# Altium PCB PCB.pcbdoc (part 1 of 6) (continued)
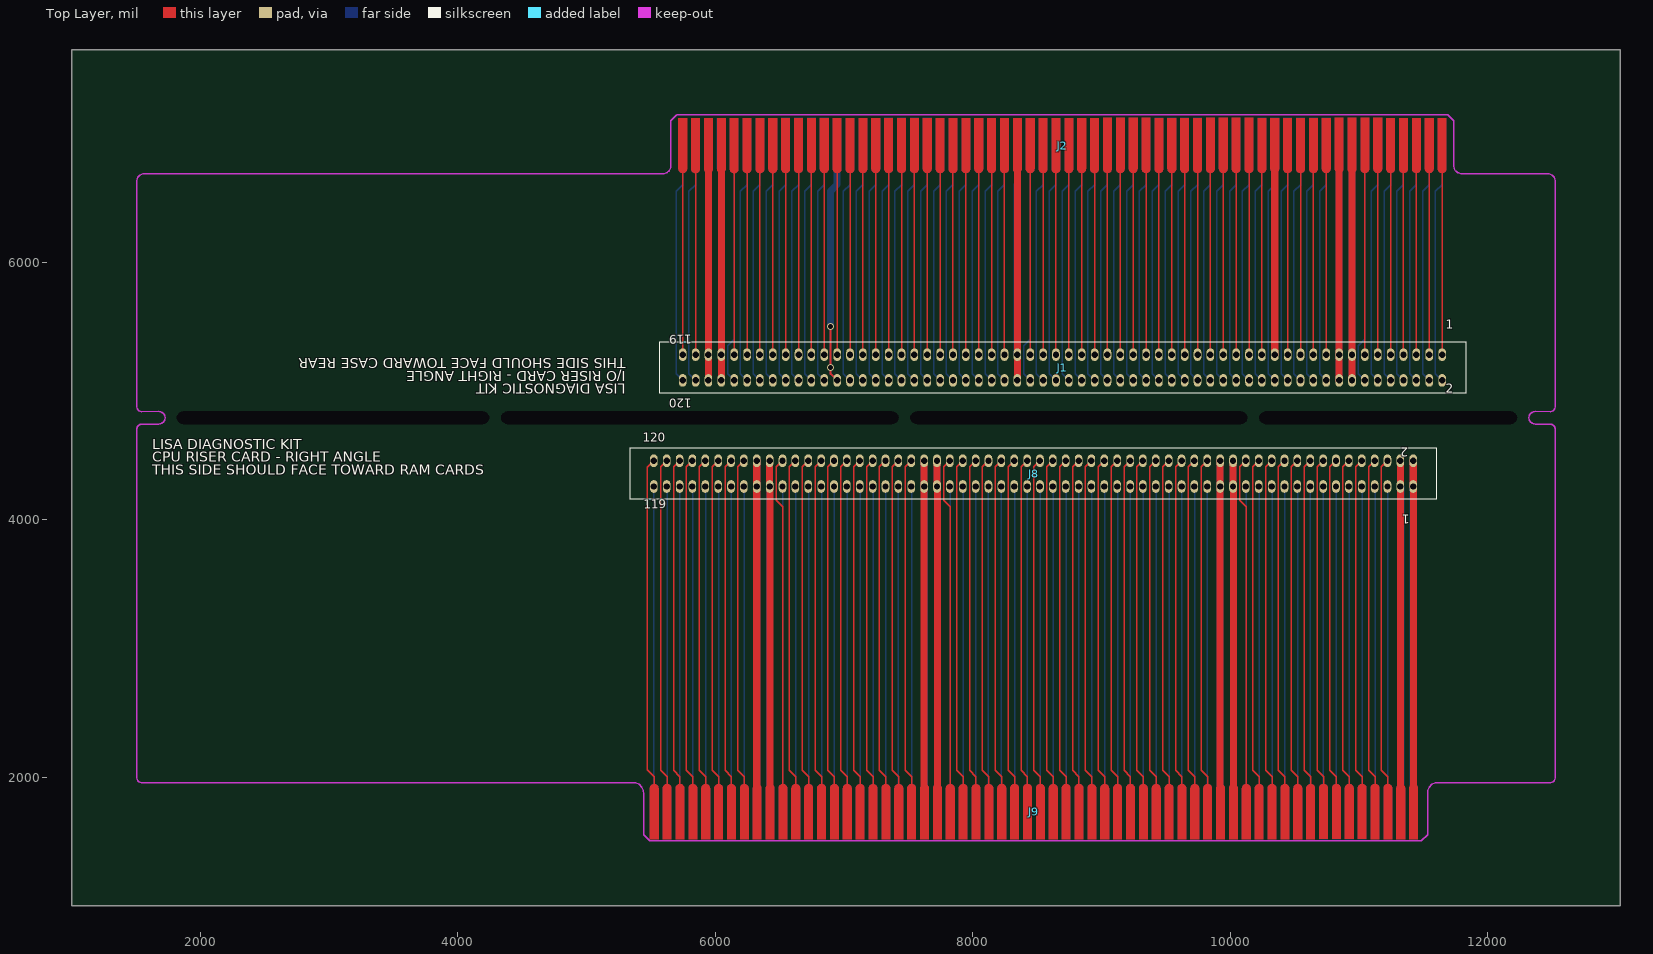
[diagram p0: Top Layer view]
## Footprints (in the part's own frame and the unit in brackets; to place one, negate y for a bottom-side part, rotate by r counter-clockwise, add the part's x,y. Pads: shape width x height; smd on the part's side, far side on the other; paste and mask are expansions set on the pad) (continued)
  Top Layer region: 2051.58,213.21 2049.95,213.25 2049.95,213.25 2048.31,213.2 2048.31,213.2 2046.68,213.08 2046.68,213.08 2045.06,212.88 2045.06,212.88 2043.44,212.6 2043.44,212.6 2041.85,212.25 2041.85,212.25 2040.27,211.81 2040.27,211.81 2038.72,211.3 2038.72,211.3 2037.19,210.71 2037.19,210.71 2035.69,210.05 2035.69,210.05 2034.23,209.31 2034.23,209.31 2032.81,208.51 2032.81,208.51 2031.42,207.64 2031.42,207.64 2030.08,206.7 2030.08,206.7 2028.79,205.69 2028.79,205.69 2027.55,204.63 2027.55,204.63 2026.36,203.5 2026.36,203.5 2025.23,202.32 2025.23,202.32 2024.16,201.08 2024.16,201.08 2023.15,199.8 2023.15,199.8 2022.21,198.46 2022.21,198.46 2021.33,197.08 2021.33,197.08 2020.52,195.66 2020.52,195.66 2019.78,194.2 2019.78,194.2 2019.11,192.71 2019.11,192.71 2018.51,191.18 2018.51,191.18 2017.99,189.63 2017.99,189.63 2017.55,188.06 2017.55,188.06 2017.18,186.46 2017.18,186.46 2016.9,184.85 2016.9,184.85 2016.69,183.23 2016.69,183.23 2016.56,181.6 2016.56,181.6 2016.51,179.99 2016.51,179.99 2016.49,179.99 2016.49,179.99 2016.49,-213.71 2016.49,-213.71 2083.41,-213.71 2083.41,-213.71 2083.41,179.99 2083.41,179.99 2083.37,181.63 2083.37,181.63 2083.24,183.26 2083.24,183.26 2083.03,184.88 2083.03,184.88 2082.74,186.49 2082.74,186.49 2082.37,188.09 2082.37,188.09 2081.93,189.66 2081.93,189.66 2081.41,191.21 2081.41,191.21 2080.81,192.74 2080.81,192.74 2080.14,194.23 2080.14,194.23 2079.4,195.69 2079.4,195.69 2078.59,197.11 2078.59,197.11 2077.71,198.49 2077.71,198.49 2076.76,199.82 2076.76,199.82 2075.75,201.11 2075.75,201.11 2074.67,202.34 2074.67,202.34 2073.54,203.52 2073.54,203.52 2072.35,204.65 2072.35,204.65 2071.11,205.71 2071.11,205.71 2069.82,206.72 2069.82,206.72 2068.48,207.65 2068.48,207.65 2067.09,208.53 2067.09,208.53 2065.67,209.33 2065.67,209.33 2064.2,210.06 2064.2,210.06 2062.71,210.72 2062.71,210.72 2061.18,211.31 2061.18,211.31 2059.63,211.82 2059.63,211.82 2058.05,212.25 2058.05,212.25 2056.45,212.61 2056.45,212.61 2054.84,212.89 2054.84,212.89 2053.22,213.09 2053.22,213.09
  Top Layer region: 1951.58,213.21 1949.95,213.25 1949.95,213.25 1948.31,213.2 1948.31,213.2 1946.68,213.08 1946.68,213.08 1945.06,212.88 1945.06,212.88 1943.44,212.6 1943.44,212.6 1941.85,212.25 1941.85,212.25 1940.27,211.81 1940.27,211.81 1938.72,211.3 1938.72,211.3 1937.19,210.71 1937.19,210.71 1935.69,210.05 1935.69,210.05 1934.23,209.31 1934.23,209.31 1932.81,208.51 1932.81,208.51 1931.42,207.64 1931.42,207.64 1930.08,206.7 1930.08,206.7 1928.79,205.69 1928.79,205.69 1927.55,204.63 1927.55,204.63 1926.36,203.5 1926.36,203.5 1925.23,202.32 1925.23,202.32 1924.16,201.08 1924.16,201.08 1923.15,199.8 1923.15,199.8 1922.2,198.46 1922.2,198.46 1921.32,197.08 1921.32,197.08 1920.51,195.66 1920.51,195.66 1919.77,194.2 1919.77,194.2 1919.11,192.71 1919.11,192.71 1918.51,191.18 1918.51,191.18 1917.99,189.63 1917.99,189.63 1917.55,188.06 1917.55,188.06 1917.18,186.46 1917.18,186.46 1916.9,184.85 1916.9,184.85 1916.69,183.23 1916.69,183.23 1916.56,181.6 1916.56,181.6 1916.51,179.99 1916.51,179.99 1916.48,179.99 1916.48,179.99 1916.48,-213.71 1916.48,-213.71 1983.41,-213.71 1983.41,-213.71 1983.41,179.99 1983.41,179.99 1983.36,181.63 1983.36,181.63 1983.24,183.26 1983.24,183.26 1983.02,184.88 1983.02,184.88 1982.74,186.49 1982.74,186.49 1982.37,188.09 1982.37,188.09 1981.93,189.66 1981.93,189.66 1981.4,191.21 1981.4,191.21 1980.81,192.74 1980.81,192.74 1980.14,194.23 1980.14,194.23 1979.4,195.69 1979.4,195.69 1978.59,197.11 1978.59,197.11 1977.7,198.49 1977.7,198.49 1976.76,199.82 1976.76,199.82 1975.75,201.11 1975.75,201.11 1974.67,202.34 1974.67,202.34 1973.54,203.52 1973.54,203.52 1972.35,204.65 1972.35,204.65 1971.11,205.71 1971.11,205.71 1969.82,206.72 1969.82,206.72 1968.48,207.65 1968.48,207.65 1967.09,208.53 1967.09,208.53 1965.67,209.33 1965.67,209.33 1964.2,210.06 1964.2,210.06 1962.71,210.72 1962.71,210.72 1961.18,211.31 1961.18,211.31 1959.62,211.82 1959.62,211.82 1958.05,212.25 1958.05,212.25 1956.45,212.61 1956.45,212.61 1954.84,212.89 1954.84,212.89 1953.22,213.09 1953.22,213.09
  Top Layer region: 1851.58,213.21 1849.95,213.25 1849.95,213.25 1848.31,213.2 1848.31,213.2 1846.68,213.08 1846.68,213.08 1845.06,212.88 1845.06,212.88 1843.44,212.6 1843.44,212.6 1841.85,212.25 1841.85,212.25 1840.27,211.81 1840.27,211.81 1838.72,211.3 1838.72,211.3 1837.19,210.71 1837.19,210.71 1835.69,210.05 1835.69,210.05 1834.23,209.31 1834.23,209.31 1832.8,208.51 1832.8,208.51 1831.42,207.64 1831.42,207.64 1830.08,206.7 1830.08,206.7 1828.79,205.69 1828.79,205.69 1827.55,204.63 1827.55,204.63 1826.36,203.5 1826.36,203.5 1825.23,202.32 1825.23,202.32 1824.16,201.08 1824.16,201.08 1823.15,199.8 1823.15,199.8 1822.2,198.46 1822.2,198.46 1821.32,197.08 1821.32,197.08 1820.51,195.66 1820.51,195.66 1819.77,194.2 1819.77,194.2 1819.1,192.71 1819.1,192.71 1818.51,191.18 1818.51,191.18 1817.99,189.63 1817.99,189.63 1817.55,188.06 1817.55,188.06 1817.18,186.46 1817.18,186.46 1816.9,184.85 1816.9,184.85 1816.69,183.23 1816.69,183.23 1816.56,181.6 1816.56,181.6 1816.51,179.99 1816.51,179.99 1816.48,179.99 1816.48,179.99 1816.48,-213.71 1816.48,-213.71 1883.41,-213.71 1883.41,-213.71 1883.41,179.99 1883.41,179.99 1883.36,181.63 1883.36,181.63 1883.23,183.26 1883.23,183.26 1883.02,184.88 1883.02,184.88 1882.74,186.49 1882.74,186.49 1882.37,188.09 1882.37,188.09 1881.93,189.66 1881.93,189.66 1881.4,191.21 1881.4,191.21 1880.81,192.74 1880.81,192.74 1880.14,194.23 1880.14,194.23 1879.4,195.69 1879.4,195.69 1878.58,197.11 1878.58,197.11 1877.7,198.49 1877.7,198.49 1876.76,199.82 1876.76,199.82 1875.74,201.11 1875.74,201.11 1874.67,202.34 1874.67,202.34 1873.54,203.52 1873.54,203.52 1872.35,204.65 1872.35,204.65 1871.11,205.71 1871.11,205.71 1869.82,206.72 1869.82,206.72 1868.48,207.65 1868.48,207.65 1867.09,208.53 1867.09,208.53 1865.67,209.33 1865.67,209.33 1864.2,210.06 1864.2,210.06 1862.71,210.72 1862.71,210.72 1861.18,211.31 1861.18,211.31 1859.62,211.82 1859.62,211.82 1858.05,212.25 1858.05,212.25 1856.45,212.61 1856.45,212.61 1854.84,212.89 1854.84,212.89 1853.21,213.09 1853.21,213.09
  Top Layer region: 1751.61,213.52 1749.98,213.55 1749.98,213.55 1748.34,213.51 1748.34,213.51 1746.71,213.39 1746.71,213.39 1745.08,213.19 1745.08,213.19 1743.47,212.91 1743.47,212.91 1741.88,212.55 1741.88,212.55 1740.3,212.12 1740.3,212.12 1738.74,211.61 1738.74,211.61 1737.22,211.02 1737.22,211.02 1735.72,210.36 1735.72,210.36 1734.26,209.62 1734.26,209.62 1732.83,208.82 1732.83,208.82 1731.45,207.95 1731.45,207.95 1730.11,207.01 1730.11,207.01 1728.82,206 1728.82,206 1727.58,204.94 1727.58,204.94 1726.39,203.81 1726.39,203.81 1725.26,202.63 1725.26,202.63 1724.19,201.39 1724.19,201.39 1723.18,200.1 1723.18,200.1 1722.23,198.77 1722.23,198.77 1721.35,197.39 1721.35,197.39 1720.54,195.97 1720.54,195.97 1719.8,194.51 1719.8,194.51 1719.13,193.02 1719.13,193.02 1718.54,191.49 1718.54,191.49 1718.02,189.94 1718.02,189.94 1717.58,188.36 1717.58,188.36 1717.21,186.77 1717.21,186.77 1716.93,185.16 1716.93,185.16 1716.72,183.54 1716.72,183.54 1716.59,181.9 1716.59,181.9 1716.54,180.3 1716.54,180.3 1716.51,180.3 1716.51,180.3 1716.51,-213.4 1716.51,-213.4 1783.44,-213.4 1783.44,-213.4 1783.44,180.3 1783.44,180.3 1783.39,181.94 1783.39,181.94 1783.26,183.57 1783.26,183.57 1783.05,185.19 1783.05,185.19 1782.77,186.8 1782.77,186.8 1782.4,188.4 1782.4,188.4 1781.95,189.97 1781.95,189.97 1781.43,191.52 1781.43,191.52 1780.84,193.05 1780.84,193.05 1780.17,194.54 1780.17,194.54 1779.43,196 1779.43,196 1778.61,197.42 1778.61,197.42 1777.73,198.8 1777.73,198.8 1776.79,200.13 1776.79,200.13 1775.77,201.42 1775.77,201.42 1774.7,202.65 1774.7,202.65 1773.57,203.83 1773.57,203.83 1772.38,204.96 1772.38,204.96 1771.14,206.02 1771.14,206.02 1769.85,207.02 1769.85,207.02 1768.51,207.96 1768.51,207.96 1767.12,208.84 1767.12,208.84 1765.7,209.64 1765.7,209.64 1764.23,210.37 1764.23,210.37 1762.74,211.03 1762.74,211.03 1761.21,211.62 1761.21,211.62 1759.65,212.13 1759.65,212.13 1758.08,212.56 1758.08,212.56 1756.48,212.92 1756.48,212.92 1754.87,213.2 1754.87,213.2 1753.24,213.4 1753.24,213.4
  Top Layer region: 1651.61,213.52 1649.98,213.55 1649.98,213.55 1648.34,213.51 1648.34,213.51 1646.71,213.39 1646.71,213.39 1645.09,213.19 1645.09,213.19 1643.48,212.91 1643.48,212.91 1641.88,212.55 1641.88,212.55 1640.3,212.12 1640.3,212.12 1638.75,211.61 1638.75,211.61 1637.22,211.02 1637.22,211.02 1635.73,210.36 1635.73,210.36 1634.26,209.62 1634.26,209.62 1632.84,208.82 1632.84,208.82 1631.45,207.95 1631.45,207.95 1630.11,207.01 1630.11,207.01 1628.82,206 1628.82,206 1627.58,204.94 1627.58,204.94 1626.4,203.81 1626.4,203.81 1625.26,202.63 1625.26,202.63 1624.19,201.39 1624.19,201.39 1623.18,200.1 1623.18,200.1 1622.24,198.77 1622.24,198.77 1621.36,197.39 1621.36,197.39 1620.55,195.97 1620.55,195.97 1619.81,194.51 1619.81,194.51 1619.14,193.02 1619.14,193.02 1618.54,191.49 1618.54,191.49 1618.02,189.94 1618.02,189.94 1617.58,188.36 1617.58,188.36 1617.22,186.77 1617.22,186.77 1616.93,185.16 1616.93,185.16 1616.72,183.54 1616.72,183.54 1616.59,181.9 1616.59,181.9 1616.55,180.3 1616.55,180.3 1616.52,180.3 1616.52,180.3 1616.52,-213.4 1616.52,-213.4 1683.45,-213.4 1683.45,-213.4 1683.45,180.3 1683.45,180.3 1683.4,181.94 1683.4,181.94 1683.27,183.57 1683.27,183.57 1683.06,185.19 1683.06,185.19 1682.77,186.8 1682.77,186.8 1682.4,188.4 1682.4,188.4 1681.96,189.97 1681.96,189.97 1681.44,191.52 1681.44,191.52 1680.84,193.05 1680.84,193.05 1680.17,194.54 1680.17,194.54 1679.43,196 1679.43,196 1678.62,197.42 1678.62,197.42 1677.74,198.8 1677.74,198.8 1676.79,200.13 1676.79,200.13 1675.78,201.42 1675.78,201.42 1674.7,202.65 1674.7,202.65 1673.57,203.83 1673.57,203.83 1672.39,204.96 1672.39,204.96 1671.14,206.02 1671.14,206.02 1669.85,207.02 1669.85,207.02 1668.51,207.96 1668.51,207.96 1667.12,208.84 1667.12,208.84 1665.7,209.64 1665.7,209.64 1664.24,210.37 1664.24,210.37 1662.74,211.03 1662.74,211.03 1661.21,211.62 1661.21,211.62 1659.66,212.13 1659.66,212.13 1658.08,212.56 1658.08,212.56 1656.48,212.92 1656.48,212.92 1654.87,213.2 1654.87,213.2 1653.25,213.4 1653.25,213.4
  Top Layer region: 1551.62,213.51 1549.98,213.55 1549.98,213.55 1548.35,213.51 1548.35,213.51 1546.71,213.39 1546.71,213.39 1545.09,213.19 1545.09,213.19 1543.48,212.91 1543.48,212.91 1541.88,212.55 1541.88,212.55 1540.3,212.12 1540.3,212.12 1538.75,211.61 1538.75,211.61 1537.22,211.02 1537.22,211.02 1535.73,210.36 1535.73,210.36 1534.27,209.62 1534.27,209.62 1532.84,208.82 1532.84,208.82 1531.46,207.95 1531.46,207.95 1530.12,207.01 1530.12,207.01 1528.82,206 1528.82,206 1527.58,204.93 1527.58,204.93 1526.4,203.81 1526.4,203.81 1525.27,202.63 1525.27,202.63 1524.19,201.39 1524.19,201.39 1523.18,200.1 1523.18,200.1 1522.24,198.77 1522.24,198.77 1521.36,197.39 1521.36,197.39 1520.55,195.97 1520.55,195.97 1519.81,194.51 1519.81,194.51 1519.14,193.01 1519.14,193.01 1518.54,191.49 1518.54,191.49 1518.03,189.94 1518.03,189.94 1517.58,188.36 1517.58,188.36 1517.22,186.77 1517.22,186.77 1516.93,185.16 1516.93,185.16 1516.72,183.53 1516.72,183.53 1516.59,181.9 1516.59,181.9 1516.55,180.3 1516.55,180.3 1516.52,180.3 1516.52,180.3 1516.52,-213.4 1516.52,-213.4 1583.45,-213.4 1583.45,-213.4 1583.45,180.3 1583.45,180.3 1583.4,181.93 1583.4,181.93 1583.27,183.57 1583.27,183.57 1583.06,185.19 1583.06,185.19 1582.77,186.8 1582.77,186.8 1582.4,188.39 1582.4,188.39 1581.96,189.97 1581.96,189.97 1581.44,191.52 1581.44,191.52 1580.84,193.04 1580.84,193.04 1580.17,194.54 1580.17,194.54 1579.43,195.99 1579.43,195.99 1578.62,197.41 1578.62,197.41 1577.74,198.8 1577.74,198.8 1576.79,200.13 1576.79,200.13 1575.78,201.41 1575.78,201.41 1574.71,202.65 1574.71,202.65 1573.57,203.83 1573.57,203.83 1572.39,204.96 1572.39,204.96 1571.14,206.02 1571.14,206.02 1569.85,207.02 1569.85,207.02 1568.51,207.96 1568.51,207.96 1567.13,208.83 1567.13,208.83 1565.7,209.64 1565.7,209.64 1564.24,210.37 1564.24,210.37 1562.74,211.03 1562.74,211.03 1561.21,211.61 1561.21,211.61 1559.66,212.13 1559.66,212.13 1558.08,212.56 1558.08,212.56 1556.49,212.92 1556.49,212.92 1554.87,213.19 1554.87,213.19 1553.25,213.39 1553.25,213.39
  Top Layer region: 1451.61,213.52 1449.98,213.55 1449.98,213.55 1448.34,213.51 1448.34,213.51 1446.71,213.39 1446.71,213.39 1445.09,213.19 1445.09,213.19 1443.48,212.91 1443.48,212.91 1441.88,212.55 1441.88,212.55 1440.3,212.12 1440.3,212.12 1438.75,211.61 1438.75,211.61 1437.22,211.02 1437.22,211.02 1435.73,210.36 1435.73,210.36 1434.26,209.62 1434.26,209.62 1432.84,208.82 1432.84,208.82 1431.45,207.95 1431.45,207.95 1430.11,207.01 1430.11,207.01 1428.82,206 1428.82,206 1427.58,204.94 1427.58,204.94 1426.4,203.81 1426.4,203.81 1425.26,202.63 1425.26,202.63 1424.19,201.39 1424.19,201.39 1423.18,200.1 1423.18,200.1 1422.24,198.77 1422.24,198.77 1421.36,197.39 1421.36,197.39 1420.55,195.97 1420.55,195.97 1419.81,194.51 1419.81,194.51 1419.14,193.02 1419.14,193.02 1418.54,191.49 1418.54,191.49 1418.02,189.94 1418.02,189.94 1417.58,188.36 1417.58,188.36 1417.22,186.77 1417.22,186.77 1416.93,185.16 1416.93,185.16 1416.72,183.54 1416.72,183.54 1416.59,181.9 1416.59,181.9 1416.55,180.3 1416.55,180.3 1416.52,180.3 1416.52,180.3 1416.52,-213.4 1416.52,-213.4 1483.45,-213.4 1483.45,-213.4 1483.45,180.3 1483.45,180.3 1483.4,181.94 1483.4,181.94 1483.27,183.57 1483.27,183.57 1483.06,185.19 1483.06,185.19 1482.77,186.8 1482.77,186.8 1482.4,188.4 1482.4,188.4 1481.96,189.97 1481.96,189.97 1481.44,191.52 1481.44,191.52 1480.84,193.05 1480.84,193.05 1480.17,194.54 1480.17,194.54 1479.43,196 1479.43,196 1478.62,197.42 1478.62,197.42 1477.74,198.8 1477.74,198.8 1476.79,200.13 1476.79,200.13 1475.78,201.42 1475.78,201.42 1474.7,202.65 1474.7,202.65 1473.57,203.83 1473.57,203.83 1472.39,204.96 1472.39,204.96 1471.14,206.02 1471.14,206.02 1469.85,207.02 1469.85,207.02 1468.51,207.96 1468.51,207.96 1467.12,208.84 1467.12,208.84 1465.7,209.64 1465.7,209.64 1464.24,210.37 1464.24,210.37 1462.74,211.03 1462.74,211.03 1461.21,211.62 1461.21,211.62 1459.66,212.13 1459.66,212.13 1458.08,212.56 1458.08,212.56 1456.48,212.92 1456.48,212.92 1454.87,213.2 1454.87,213.2 1453.25,213.4 1453.25,213.4
  Top Layer region: 1351.59,213.21 1349.96,213.25 1349.96,213.25 1348.32,213.21 1348.32,213.21 1346.69,213.09 1346.69,213.09 1345.07,212.89 1345.07,212.89 1343.45,212.61 1343.45,212.61 1341.86,212.25 1341.86,212.25 1340.28,211.81 1340.28,211.81 1338.73,211.3 1338.73,211.3 1337.2,210.71 1337.2,210.71 1335.7,210.05 1335.7,210.05 1334.24,209.32 1334.24,209.32 1332.82,208.51 1332.82,208.51 1331.43,207.64 1331.43,207.64 1330.09,206.7 1330.09,206.7 1328.8,205.69 1328.8,205.69 1327.56,204.63 1327.56,204.63 1326.37,203.5 1326.37,203.5 1325.24,202.32 1325.24,202.32 1324.17,201.08 1324.17,201.08 1323.16,199.8 1323.16,199.8 1322.22,198.46 1322.22,198.46 1321.34,197.08 1321.34,197.08 1320.53,195.66 1320.53,195.66 1319.78,194.2 1319.78,194.2 1319.12,192.71 1319.12,192.71 1318.52,191.18 1318.52,191.18 1318,189.63 1318,189.63 1317.56,188.06 1317.56,188.06 1317.19,186.46 1317.19,186.46 1316.91,184.85 1316.91,184.85 1316.7,183.23 1316.7,183.23 1316.57,181.6 1316.57,181.6 1316.53,179.99 1316.53,179.99 1316.5,179.99 1316.5,179.99 1316.5,-213.71 1316.5,-213.71 1383.43,-213.71 1383.43,-213.71 1383.43,179.99 1383.43,179.99 1383.38,181.63 1383.38,181.63 1383.25,183.26 1383.25,183.26 1383.04,184.88 1383.04,184.88 1382.75,186.49 1382.75,186.49 1382.38,188.09 1382.38,188.09 1381.94,189.66 1381.94,189.66 1381.42,191.21 1381.42,191.21 1380.82,192.74 1380.82,192.74 1380.15,194.23 1380.15,194.23 1379.41,195.69 1379.41,195.69 1378.6,197.11 1378.6,197.11 1377.72,198.49 1377.72,198.49 1376.77,199.82 1376.77,199.82 1375.76,201.11 1375.76,201.11 1374.68,202.34 1374.68,202.34 1373.55,203.53 1373.55,203.53 1372.36,204.65 1372.36,204.65 1371.12,205.71 1371.12,205.71 1369.83,206.72 1369.83,206.72 1368.49,207.66 1368.49,207.66 1367.1,208.53 1367.1,208.53 1365.68,209.33 1365.68,209.33 1364.22,210.06 1364.22,210.06 1362.72,210.72 1362.72,210.72 1361.19,211.31 1361.19,211.31 1359.64,211.82 1359.64,211.82 1358.06,212.26 1358.06,212.26 1356.46,212.61 1356.46,212.61 1354.85,212.89 1354.85,212.89 1353.23,213.09 1353.23,213.09
  Top Layer region: 1251.6,213.21 1249.96,213.25 1249.96,213.25 1248.32,213.21 1248.32,213.21 1246.69,213.09 1246.69,213.09 1245.07,212.89 1245.07,212.89 1243.46,212.61 1243.46,212.61 1241.86,212.25 1241.86,212.25 1240.28,211.81 1240.28,211.81 1238.73,211.3 1238.73,211.3 1237.2,210.71 1237.2,210.71 1235.71,210.05 1235.71,210.05 1234.24,209.32 1234.24,209.32 1232.82,208.51 1232.82,208.51 1231.44,207.64 1231.44,207.64 1230.1,206.7 1230.1,206.7 1228.8,205.69 1228.8,205.69 1227.56,204.63 1227.56,204.63 1226.38,203.5 1226.38,203.5 1225.24,202.32 1225.24,202.32 1224.17,201.08 1224.17,201.08 1223.16,199.8 1223.16,199.8 1222.22,198.46 1222.22,198.46 1221.34,197.08 1221.34,197.08 1220.53,195.66 1220.53,195.66 1219.79,194.2 1219.79,194.2 1219.12,192.71 1219.12,192.71 1218.52,191.18 1218.52,191.18 1218,189.63 1218,189.63 1217.56,188.06 1217.56,188.06 1217.2,186.46 1217.2,186.46 1216.91,184.85 1216.91,184.85 1216.7,183.23 1216.7,183.23 1216.57,181.6 1216.57,181.6 1216.53,179.99 1216.53,179.99 1216.5,179.99 1216.5,179.99 1216.5,-213.71 1216.5,-213.71 1283.43,-213.71 1283.43,-213.71 1283.43,179.99 1283.43,179.99 1283.38,181.63 1283.38,181.63 1283.25,183.26 1283.25,183.26 1283.04,184.88 1283.04,184.88 1282.75,186.49 1282.75,186.49 1282.38,188.09 1282.38,188.09 1281.94,189.66 1281.94,189.66 1281.42,191.21 1281.42,191.21 1280.82,192.74 1280.82,192.74 1280.15,194.23 1280.15,194.23 1279.41,195.69 1279.41,195.69 1278.6,197.11 1278.6,197.11 1277.72,198.49 1277.72,198.49 1276.77,199.82 1276.77,199.82 1275.76,201.11 1275.76,201.11 1274.69,202.34 1274.69,202.34 1273.55,203.53 1273.55,203.53 1272.36,204.65 1272.36,204.65 1271.12,205.71 1271.12,205.71 1269.83,206.72 1269.83,206.72 1268.49,207.66 1268.49,207.66 1267.11,208.53 1267.11,208.53 1265.68,209.33 1265.68,209.33 1264.22,210.06 1264.22,210.06 1262.72,210.72 1262.72,210.72 1261.19,211.31 1261.19,211.31 1259.64,211.82 1259.64,211.82 1258.06,212.26 1258.06,212.26 1256.46,212.61 1256.46,212.61 1254.85,212.89 1254.85,212.89 1253.23,213.09 1253.23,213.09
  Top Layer region: 1151.6,213.21 1149.96,213.25 1149.96,213.25 1148.33,213.21 1148.33,213.21 1146.69,213.08 1146.69,213.08 1145.07,212.88 1145.07,212.88 1143.46,212.61 1143.46,212.61 1141.86,212.25 1141.86,212.25 1140.29,211.81 1140.29,211.81 1138.73,211.3 1138.73,211.3 1137.2,210.71 1137.2,210.71 1135.71,210.05 1135.71,210.05 1134.25,209.32 1134.25,209.32 1132.82,208.51 1132.82,208.51 1131.44,207.64 1131.44,207.64 1130.1,206.7 1130.1,206.7 1128.81,205.69 1128.81,205.69 1127.57,204.63 1127.57,204.63 1126.38,203.5 1126.38,203.5 1125.25,202.32 1125.25,202.32 1124.18,201.08 1124.18,201.08 1123.17,199.8 1123.17,199.8 1122.22,198.46 1122.22,198.46 1121.34,197.08 1121.34,197.08 1120.53,195.66 1120.53,195.66 1119.79,194.2 1119.79,194.2 1119.12,192.71 1119.12,192.71 1118.53,191.18 1118.53,191.18 1118.01,189.63 1118.01,189.63 1117.56,188.06 1117.56,188.06 1117.2,186.46 1117.2,186.46 1116.91,184.85 1116.91,184.85 1116.7,183.23 1116.7,183.23 1116.58,181.6 1116.58,181.6 1116.53,179.99 1116.53,179.99 1116.5,179.99 1116.5,179.99 1116.5,-213.71 1116.5,-213.71 1183.43,-213.71 1183.43,-213.71 1183.43,179.99 1183.43,179.99 1183.38,181.63 1183.38,181.63 1183.25,183.26 1183.25,183.26 1183.04,184.88 1183.04,184.88 1182.75,186.49 1182.75,186.49 1182.39,188.09 1182.39,188.09 1181.94,189.66 1181.94,189.66 1181.42,191.21 1181.42,191.21 1180.82,192.74 1180.82,192.74 1180.15,194.23 1180.15,194.23 1179.41,195.69 1179.41,195.69 1178.6,197.11 1178.6,197.11 1177.72,198.49 1177.72,198.49 1176.77,199.82 1176.77,199.82 1175.76,201.11 1175.76,201.11 1174.69,202.34 1174.69,202.34 1173.56,203.53 1173.56,203.53 1172.37,204.65 1172.37,204.65 1171.13,205.71 1171.13,205.71 1169.83,206.72 1169.83,206.72 1168.49,207.66 1168.49,207.66 1167.11,208.53 1167.11,208.53 1165.68,209.33 1165.68,209.33 1164.22,210.06 1164.22,210.06 1162.72,210.72 1162.72,210.72 1161.19,211.31 1161.19,211.31 1159.64,211.82 1159.64,211.82 1158.06,212.25 1158.06,212.25 1156.47,212.61 1156.47,212.61 1154.85,212.89 1154.85,212.89 1153.23,213.09 1153.23,213.09
  Top Layer region: 1051.6,213.21 1049.96,213.25 1049.96,213.25 1048.33,213.21 1048.33,213.21 1046.69,213.09 1046.69,213.09 1045.07,212.89 1045.07,212.89 1043.46,212.61 1043.46,212.61 1041.86,212.25 1041.86,212.25 1040.28,211.81 1040.28,211.81 1038.73,211.3 1038.73,211.3 1037.2,210.71 1037.2,210.71 1035.71,210.05 1035.71,210.05 1034.24,209.32 1034.24,209.32 1032.82,208.51 1032.82,208.51 1031.44,207.64 1031.44,207.64 1030.1,206.7 1030.1,206.7 1028.81,205.69 1028.81,205.69 1027.57,204.63 1027.57,204.63 1026.38,203.5 1026.38,203.5 1025.25,202.32 1025.25,202.32 1024.18,201.08 1024.18,201.08 1023.16,199.8 1023.16,199.8 1022.22,198.46 1022.22,198.46 1021.34,197.08 1021.34,197.08 1020.53,195.66 1020.53,195.66 1019.78,194.2 1019.78,194.2 1019.12,192.71 1019.12,192.71 1018.53,191.18 1018.53,191.18 1018,189.63 1018,189.63 1017.56,188.06 1017.56,188.06 1017.19,186.46 1017.19,186.46 1016.91,184.85 1016.91,184.85 1016.7,183.23 1016.7,183.23 1016.57,181.6 1016.57,181.6 1016.53,179.99 1016.53,179.99 1016.5,179.99 1016.5,179.99 1016.5,-213.71 1016.5,-213.71 1083.43,-213.71 1083.43,-213.71 1083.43,179.99 1083.43,179.99 1083.38,181.63 1083.38,181.63 1083.25,183.26 1083.25,183.26 1083.04,184.88 1083.04,184.88 1082.75,186.49 1082.75,186.49 1082.39,188.09 1082.39,188.09 1081.94,189.66 1081.94,189.66 1081.42,191.21 1081.42,191.21 1080.82,192.74 1080.82,192.74 1080.15,194.23 1080.15,194.23 1079.41,195.69 1079.41,195.69 1078.6,197.11 1078.6,197.11 1077.72,198.49 1077.72,198.49 1076.77,199.82 1076.77,199.82 1075.76,201.11 1075.76,201.11 1074.69,202.34 1074.69,202.34 1073.55,203.53 1073.55,203.53 1072.37,204.65 1072.37,204.65 1071.13,205.71 1071.13,205.71 1069.83,206.72 1069.83,206.72 1068.49,207.66 1068.49,207.66 1067.11,208.53 1067.11,208.53 1065.68,209.33 1065.68,209.33 1064.22,210.06 1064.22,210.06 1062.72,210.72 1062.72,210.72 1061.19,211.31 1061.19,211.31 1059.64,211.82 1059.64,211.82 1058.06,212.26 1058.06,212.26 1056.46,212.61 1056.46,212.61 1054.85,212.89 1054.85,212.89 1053.23,213.09 1053.23,213.09
  Top Layer region: 951.62,213.52 949.99,213.56 949.99,213.56 948.35,213.52 948.35,213.52 946.72,213.4 946.72,213.4 945.1,213.2 945.1,213.2 943.49,212.92 943.49,212.92 941.89,212.56 941.89,212.56 940.31,212.13 940.31,212.13 938.76,211.61 938.76,211.61 937.23,211.03 937.23,211.03 935.74,210.37 935.74,210.37 934.27,209.63 934.27,209.63 932.85,208.83 932.85,208.83 931.47,207.95 931.47,207.95 930.12,207.01 930.12,207.01 928.83,206.01 928.83,206.01 927.59,204.94 927.59,204.94 926.4,203.82 926.4,203.82 925.27,202.64 925.27,202.64 924.2,201.4 924.2,201.4 923.19,200.11 923.19,200.11 922.25,198.78 922.25,198.78 921.37,197.4 921.37,197.4 920.56,195.98 920.56,195.98 919.82,194.52 919.82,194.52 919.15,193.02 919.15,193.02 918.55,191.5 918.55,191.5 918.03,189.95 918.03,189.95 917.59,188.37 917.59,188.37 917.23,186.78 917.23,186.78 916.94,185.17 916.94,185.17 916.73,183.54 916.73,183.54 916.6,181.91 916.6,181.91 916.56,180.31 916.56,180.31 916.53,180.31 916.53,180.31 916.53,-213.39 916.53,-213.39 983.46,-213.39 983.46,-213.39 983.46,180.31 983.46,180.31 983.41,181.94 983.41,181.94 983.28,183.57 983.28,183.57 983.07,185.2 983.07,185.2 982.78,186.81 982.78,186.81 982.41,188.4 982.41,188.4 981.97,189.98 981.97,189.98 981.45,191.53 981.45,191.53 980.85,193.05 980.85,193.05 980.18,194.55 980.18,194.55 979.44,196 979.44,196 978.63,197.42 978.63,197.42 977.75,198.8 977.75,198.8 976.8,200.14 976.8,200.14 975.79,201.42 975.79,201.42 974.72,202.66 974.72,202.66 973.58,203.84 973.58,203.84 972.4,204.96 972.4,204.96 971.15,206.03 971.15,206.03 969.86,207.03 969.86,207.03 968.52,207.97 968.52,207.97 967.14,208.84 967.14,208.84 965.71,209.65 965.71,209.65 964.25,210.38 964.25,210.38 962.75,211.04 962.75,211.04 961.22,211.63 961.22,211.63 959.67,212.14 959.67,212.14 958.09,212.57 958.09,212.57 956.49,212.93 956.49,212.93 954.88,213.21 954.88,213.21 953.26,213.4 953.26,213.4
  Top Layer region: 851.63,213.52 849.99,213.56 849.99,213.56 848.36,213.52 848.36,213.52 846.73,213.4 846.73,213.4 845.1,213.2 845.1,213.2 843.49,212.92 843.49,212.92 841.89,212.56 841.89,212.56 840.32,212.13 840.32,212.13 838.76,211.61 838.76,211.61 837.24,211.03 837.24,211.03 835.74,210.37 835.74,210.37 834.28,209.63 834.28,209.63 832.85,208.83 832.85,208.83 831.47,207.95 831.47,207.95 830.13,207.01 830.13,207.01 828.84,206.01 828.84,206.01 827.6,204.94 827.6,204.94 826.41,203.82 826.41,203.82 825.28,202.63 825.28,202.63 824.21,201.4 824.21,201.4 823.2,200.11 823.2,200.11 822.25,198.78 822.25,198.78 821.37,197.4 821.37,197.4 820.56,195.98 820.56,195.98 819.82,194.52 819.82,194.52 819.15,193.02 819.15,193.02 818.56,191.5 818.56,191.5 818.04,189.95 818.04,189.95 817.6,188.37 817.6,188.37 817.23,186.78 817.23,186.78 816.94,185.17 816.94,185.17 816.73,183.54 816.73,183.54 816.61,181.91 816.61,181.91 816.56,180.31 816.56,180.31 816.53,180.31 816.53,180.31 816.53,-213.39 816.53,-213.39 883.46,-213.39 883.46,-213.39 883.46,180.31 883.46,180.31 883.41,181.94 883.41,181.94 883.28,183.57 883.28,183.57 883.07,185.2 883.07,185.2 882.78,186.81 882.78,186.81 882.41,188.4 882.41,188.4 881.97,189.98 881.97,189.98 881.45,191.53 881.45,191.53 880.86,193.05 880.86,193.05 880.19,194.55 880.19,194.55 879.44,196 879.44,196 878.63,197.42 878.63,197.42 877.75,198.8 877.75,198.8 876.8,200.14 876.8,200.14 875.79,201.42 875.79,201.42 874.72,202.66 874.72,202.66 873.59,203.84 873.59,203.84 872.4,204.96 872.4,204.96 871.16,206.03 871.16,206.03 869.86,207.03 869.86,207.03 868.52,207.97 868.52,207.97 867.14,208.84 867.14,208.84 865.71,209.65 865.71,209.65 864.25,210.38 864.25,210.38 862.75,211.04 862.75,211.04 861.23,211.63 861.23,211.63 859.67,212.14 859.67,212.14 858.09,212.57 858.09,212.57 856.5,212.93 856.5,212.93 854.89,213.21 854.89,213.21 853.26,213.4 853.26,213.4